# Altium PCB PCB2.PcbDoc (part 1 of 3) (continued)
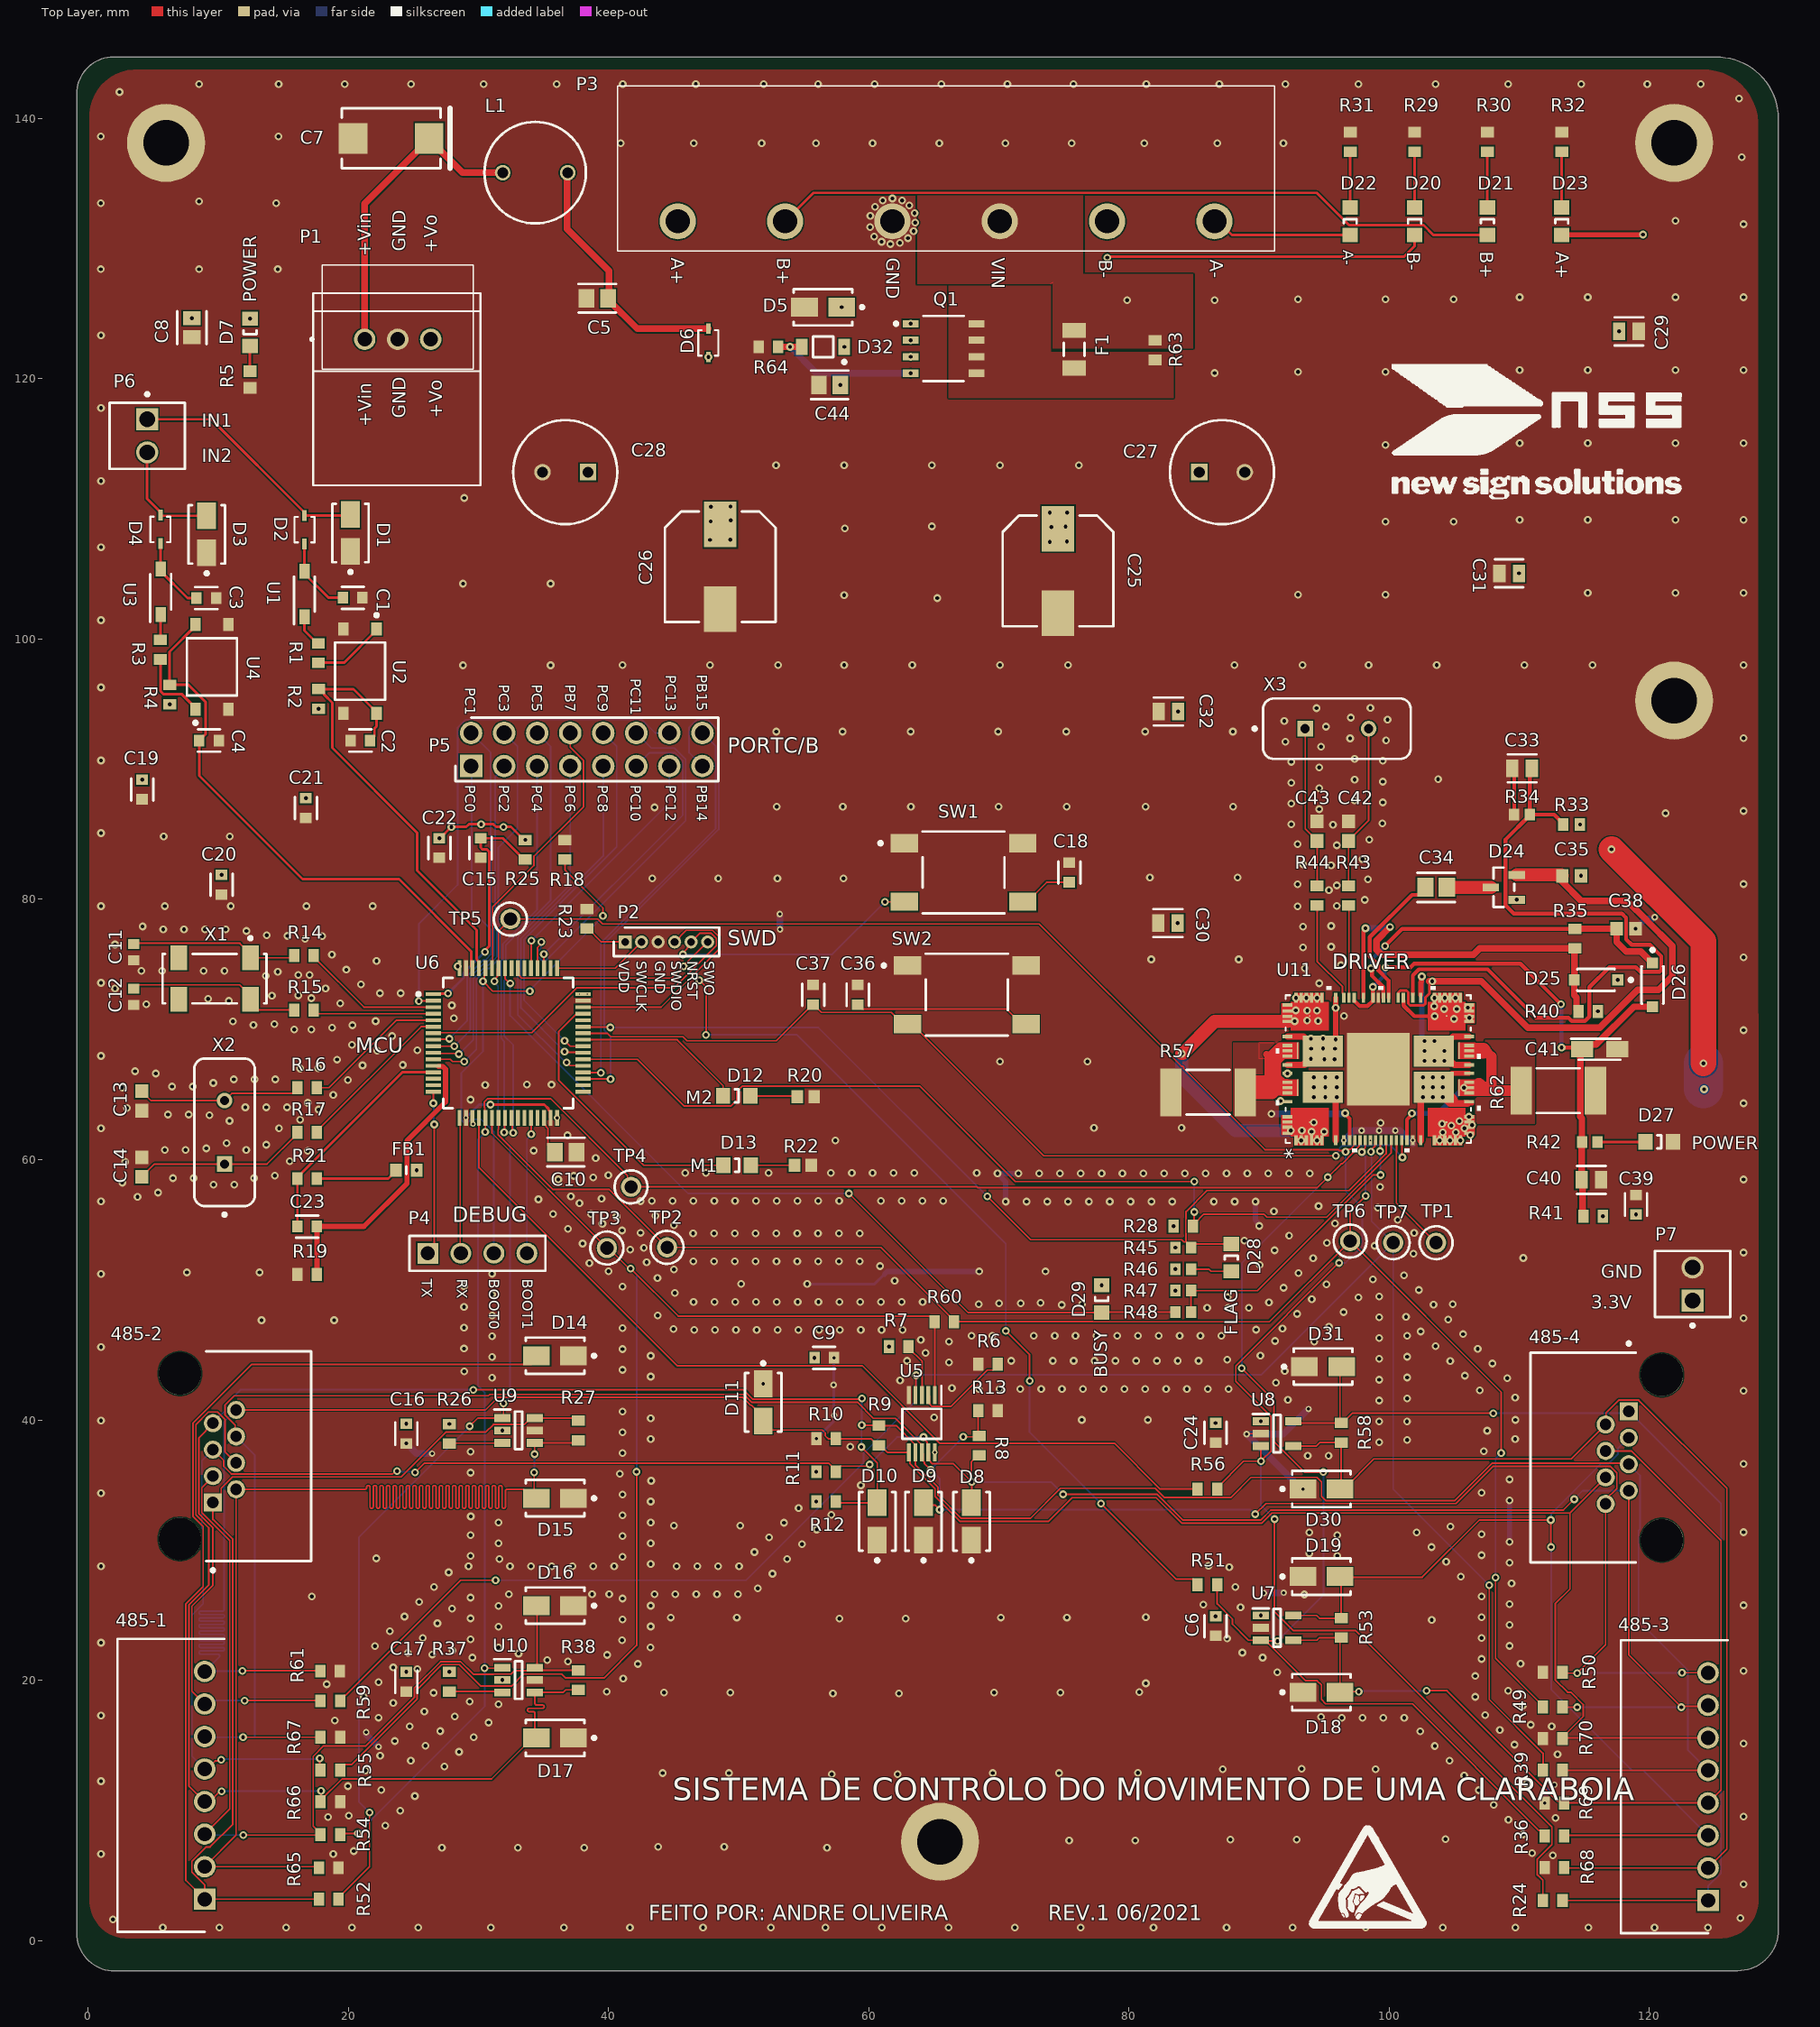
[diagram p0: Top Layer view]
## Components (designator, comment, footprint, x,y, rotation, side; value= is the part's Value field where it differs from the comment) (continued)
R54 "NA" RESC1608X55X25ML10T15 18.618,8.128 r180 top
R55 "NA" RESC1608X55X25ML10T15 18.618,13.081 r180 top
R56 "NA" RESC1608X55X25ML10T15 86.03,34.696 r180 top
R57 "0.1" FP-WSL2512-MFG 86.081,65.176 r180 top value=50mΩ
R58 "100" RESC1608X55X25ML10T15 96.317,39.014 r270 top
R59 "NA" RESC1608X55X25ML10T15 18.618,18.415 r180 top
R60 "NA" RESC1608X55X25ML10T15 65.811,47.549 r180 top
R61 "NA" RESC1608X55X25ML10T15 18.606,20.701 r180 top
R62 "0.1" FP-WSL2512-MFG 113.005,65.303 r0 top value=50mΩ
R63 "NA" RESC1608X55X25ML10T15 82.017,122.199 r270 top
R64 "10k" RESC1608X55X25ML10T15 52.299,122.453 r0 top
R65 "NA" RESC1608X55X25ML10T15 18.491,5.588 r180 top
R66 "NA" RESC1608X55X25ML10T15 18.618,10.668 r180 top
R67 "NA" RESC1608X55X25ML10T15 18.618,15.621 r180 top
R68 "NA" RESC1608X55X25ML10T15 112.7,5.613 r0 top
R69 "NA" RESC1608X55X25ML10T15 112.7,10.566 r0 top
R70 "NA" RESC1608X55X25ML10T15 112.573,15.519 r0 top
SW1 "TD-0341" FP-1571563-9-MFG 67.285,82.067 r0 top
SW2 "TD-0341" FP-1571563-9-MFG 67.539,72.669 r0 top
TP1 "5000" KSTN-5002 103.607,53.619 r90 top
TP2 "5000" KSTN-5002 44.501,53.264 r0 top
TP3 "5000" KSTN-5002 39.878,53.213 r0 top
TP4 "5000" KSTN-5002 41.732,57.912 r0 top
TP5 "5000" KSTN-5002 32.461,78.486 r0 top
TP6 "5000" KSTN-5002 97.003,53.746 r0 top
TP7 "5000" KSTN-5002 100.305,53.619 r0 top
U1 "NSI50010YT1G" SOD3716X135N 16.637,103.454 r90 top
U2 "VOM618A-3T" VISH-SOP-4_V 20.904,97.536 r270 top
U3 "NSI50010YT1G" SOD3716X135N 5.588,103.632 r90 top
U4 "VOM618A-3T" VISH-SOP-4_V 9.525,97.866 r90 top
U5 "SN65HVD70D" SOP50P490X110-10N 64.084,39.7 r270 top
U6 "STM32F401RET6" FP-LQFP64-5W-MFG 32.295,68.966 r0 top
U7 "MAX3280E" SOT95P280X145-5N 91.384,24.028 r0 top
U8 "MAX3280E" SOT95P280X145-5N 91.384,38.948 r0 top
U9 "MAX3293" SOT95P280X145-6N 33.096,39.192 r0 top
U10 "MAX3293" SOT95P280X145-6N 33.096,20.015 r0 top
U11 "POWERSTEP01" VFQFPN89_11X14X1_STM 99.162,66.954 r90 top
X1 "ABS25-32.768KHZ-6-T" ABRA-ABS25-4_V 9.728,73.914 r180 top
X2 "8MHz(16pF) NA" FOX-FOXSLF160-20 10.49,62.103 r90 top
X3 "8MHz(16pF) NA" FOX-FOXSLF160-20 95.987,93.116 r0 top

## Footprints (in the part's own frame and the unit in brackets; to place one, negate y for a bottom-side part, rotate by r counter-clockwise, add the part's x,y. Pads: shape width x height; smd on the part's side, far side on the other; paste and mask are expansions set on the pad)
0805_A [mm] "Chip LED, 2-Leads, Body 2.0x1.3mm, IPC Medium Density"
  rect 1.1x1.2 smd: 1(-1.05,0) 2(1.05,0)
  silkscreen extent -0.15,-0.5 0.15,0.5, body extent -1,-0.62 1,0.63, height 0.68
61300411121 [mm] "Pin Header, pitch 2.54 mm, THT, Vertical, single row, 4p"
  rect 1.6x1.6 hole 1.1: 1(-3.81,0)
  round 1.6 hole 1.1: 2(-1.27,0) 3(1.27,0) 4(3.81,0)
  silkscreen extent -5.23,-1.34 5.23,1.34, body extent -5.08,-1.27 5.08,1.27, height 8.57
ABRA-ABS25-4_V [mm] "SMD, 4-Leads, Body 8x3.8mm, Pitch 5.5mm, Height 2.5mm"
  rect 1.3x1.9 smd: 1(-2.75,-1.6) 2(2.75,-1.6) 3(2.75,1.6) 4(-2.75,1.6)
  silkscreen extent -4,-3.22 4,1.9, body extent -4,-2 4,2, height 2.66
BEADC1608X95N [mm]
  rect 0.9x1 smd: 1(-0.8,0) 2(0.8,0)
  silkscreen extent 0,-0.3 0,0.3, body extent -0.8,-0.4 0.8,0.4, height 0.95
CAPC1608X90X35LL10T15 [mm] "Chip Capacitor, 2-Leads, Body 1.60x0.80mm, IPC High Density"
  rect 0.75x0.85 smd: 1(-0.625,0) 2(0.625,0)
  body extent -0.85,-0.45 0.85,0.45, height 0.9
CAPC1608X90X35ML10T15 [mm] "Chip Capacitor, 2-Leads, Body 1.60x0.80mm, IPC Low Density"
  rect 0.95x1.05 smd: 1(-0.725,0) 2(0.725,0)
  body extent -0.85,-0.45 0.85,0.45, height 0.9
CAPC1608X90X35NL15T15 [mm] "Chip Capacitor, 2-Leads, Body 1.60x0.81mm, IPC Medium Density"
  rect 1.05x1 smd: 1(-0.75,0) 2(0.75,0)
  body extent -0.88,-0.48 0.87,0.48, height 0.9
CAPPM3216X180N [mm]
  rect 1.7x1.25 smd: 1(-1.35,0) 2(1.35,0)
  silkscreen extent -2.2,-0.8 1.6,0.8, body extent -1.6,-0.8 1.6,0.8, height 1.8
CAPPRD350W65D800H1300 [mm]
  rect 1.275x1.275 hole 0.85: 1(0,0)
  round 1.275 hole 0.85: 2(3.5,0)
  silkscreen extent -2.25,-4 5.75,4, body extent -2.5,-4.25 6,4.25, height 13
DIODE_SOD-323_1P7X1P3_DIO-L [mil]
  rect 32x14 smd paste+0 mask+0: 1(-43,0) 2(43,0)
  silkscreen extent -38,-31 38,31, body extent -53,-26 53,26, height 43
FOX-FOXSLF160-20 [mm] "THD, 2-Leads, Body 11.35x4.65mm"
  rect 1.2x1.2 hole 0.7: 1(-2.44,0)
  round 1.2 hole 0.7: 2(2.44,0)
  silkscreen extent -6.45,-2.33 5.68,2.33, body extent -5.67,-2.32 5.68,2.33, height 3.6
FP-1571563-9-MFG [mm]
  rect 2.1x1.4 smd paste+0 mask+0: 1(-4.55,2.25) 2(4.55,2.25) 3(-4.55,-2.25) 4(4.55,-2.25)
  silkscreen extent -6.5,-3.15 3.15,3.15, body extent -5.7,-3.25 5.7,3.25, height 0.25
FP-C0805C-DN-MFG [mm]
  rect 0.95x1.35 smd paste+0 mask+0: 1(-0.75,0) 2(0.75,0)
  silkscreen extent -1.1,-1.07 1.1,1.07, body extent -1.4,-0.85 1.4,0.85, height 0.25
FP-C-06527-MFG [mil]
  rect 47x22 smd paste+0 mask+0: 1(-99.5,75) 2(-99.5,25) 3(-99.5,-25) 4(-99.5,-75) 5(99.5,-75) 6(99.5,-25) 7(99.5,25) 8(99.5,75)
  silkscreen extent -149,-98 61,98, body extent -127,-102 127,102, height 10
FP-CC0603-DA-MFG [mm]
  rect 0.8x0.9 smd paste+0 mask+0: 1(-0.75,0) 2(0.75,0)
  silkscreen extent -0.85,-0.85 0.85,0.85, body extent -1.35,-0.75 1.35,0.75, height 0.25
FP-CL21-IPC_B [mm]
  rect 1.255x1.456 smd paste+0 mask+0: 1(-0.826,0) 2(0.826,0)
  silkscreen extent -1.45,-1.13 1.45,1.13, body extent -1.7,-0.98 1.7,0.98, height 0.25
FP-GRM21B-0_2-e0_2_0_7-IPC_C [mm]
  rect 1.055x1.356 smd paste+0 mask+0: 1(-0.726,0) 2(0.726,0)
  silkscreen extent -1.25,-1.13 1.25,1.13, body extent -1.35,-0.82 1.35,0.82, height 0.25
FP-GRT21B-0_15-IPC_B [mm]
  rect 1.206x1.408 smd paste+0 mask+0: 1(-0.826,0) 2(0.826,0)
  silkscreen extent -1.43,-1.1 1.43,1.1, body extent -1.68,-0.95 1.68,0.95, height 0.25
FP-LQFP64-5W-MFG [mm]
  rect 1.2x0.3 smd paste+0 mask+0: 1(-5.75,3.75) 2(-5.75,3.25) 3(-5.75,2.75) 4(-5.75,2.25) 5(-5.75,1.75) 6(-5.75,1.25) 7(-5.75,0.75) 8(-5.75,0.25) 9(-5.75,-0.25) 10(-5.75,-0.75) 11(-5.75,-1.25) 12(-5.75,-1.75) 13(-5.75,-2.25) 14(-5.75,-2.75) 15(-5.75,-3.25) 16(-5.75,-3.75) 33(5.75,-3.75) 34(5.75,-3.25) 35(5.75,-2.75) 36(5.75,-2.25) 37(5.75,-1.75) 38(5.75,-1.25) 39(5.75,-0.75) 40(5.75,-0.25) 41(5.75,0.25) 42(5.75,0.75) 43(5.75,1.25) 44(5.75,1.75) 45(5.75,2.25) 46(5.75,2.75) 47(5.75,3.25) 48(5.75,3.75)
  rect 0.3x1.2 smd paste+0 mask+0: 17(-3.75,-5.75) 18(-3.25,-5.75) 19(-2.75,-5.75) 20(-2.25,-5.75) 21(-1.75,-5.75) 22(-1.25,-5.75) 23(-0.75,-5.75) 24(-0.25,-5.75) 25(0.25,-5.75) 26(0.75,-5.75) 27(1.25,-5.75) 28(1.75,-5.75) 29(2.25,-5.75) 30(2.75,-5.75) 31(3.25,-5.75) 32(3.75,-5.75) 49(3.75,5.75) 50(3.25,5.75) 51(2.75,5.75) 52(2.25,5.75) 53(1.75,5.75) 54(1.25,5.75) 55(0.75,5.75) 56(0.25,5.75) 57(-0.25,5.75) 58(-0.75,5.75) 59(-1.25,5.75) 60(-1.75,5.75) 61(-2.25,5.75) 62(-2.75,5.75) 63(-3.25,5.75) 64(-3.75,5.75)
  silkscreen extent -7.02,-5 5,5, body extent -6.45,-6.45 6.45,6.45, height 0.25
FP-RJHSE-5080-MFG [mm]
  rect 1.39x1.39 hole 0.89 paste-1000 mask+0: 1(3.556,0.127)
  round 1.39 hole 0.89 paste-1000 mask+0: 2(2.54,1.905) 3(1.524,0.127) 4(0.508,1.905) 5(-0.508,0.127) 6(-1.524,1.905) 7(-2.54,0.127) 8(-3.556,1.905)
  round 3.25 hole 3.25 unplated paste-1000 mask+0: ""(-6.35,-2.413) ""(6.35,-2.413)
  silkscreen extent -8.06,-0.41 8.89,7.68, body extent -8.16,-7.78 8.16,7.78, height 0.25
FP-S8-V-3910_01-001-MFG [mm]
  rect 0.85x0.85 smd paste+0 mask+0: 1(-1.675,0) 2(1.675,0)
  silkscreen extent -2.8,-0.85 1.43,0.85, body extent -2.2,-0.95 2.2,0.95, height 0.25
FP-SOT23-3L-MFG [mm]
  rect 1.26x0.61 smd paste+0 mask+0: 1(-0.995,0.95) 2(-0.995,-0.95) 3(0.995,0)
  silkscreen extent -0.8,-1.52 0.8,1.52, body extent -1.73,-1.62 1.73,1.62, height 0.25
FP-WSL2512-MFG [mm]
  rect 1.65x3.68 smd paste+0 mask+0: 1(-2.855,0) 2(2.855,0)
  silkscreen extent -1.66,-1.72 1.66,1.72, body extent -3.78,-1.94 3.78,1.94, height 0.25
HDRV6W30P0X127_1X6_762X210X430P [mm]
  rect 1x1 hole 0.6: 1(0,0)
  round 1 hole 0.6: 2(1.27,0) 3(2.54,0) 4(3.81,0) 5(5.08,0) 6(6.35,0)
  silkscreen extent -0.88,-1.1 7.23,1.1, body extent -0.64,-1.05 6.98,1.05, height 4
HDRV16W67P254_2X8_1991X488X821P [mm]
  rect 1.725x1.725 hole 1.15: 1(0,0)
  round 1.725 hole 1.15: 2(0,2.54) 3(2.54,0) 4(2.54,2.54) 5(5.08,0) 6(5.08,2.54) 7(7.62,0) 8(7.62,2.54) 9(10.16,0) 10(10.16,2.54) 11(12.7,0) 12(12.7,2.54) 13(15.24,0) 14(15.24,2.54) 15(17.78,0) 16(17.78,2.54)
  silkscreen extent -1.21,-1.17 18.99,3.71, body extent -1.07,-1.17 18.85,3.71, height 8.12
KEMT-T491-D_L [mm] "Molded Capacitor, 2-Leads, Body 7.60x4.60mm, IPC High Density"
  rect 2.2x2.35 smd: 1(-2.925,0) 2(2.925,0)
  silkscreen extent -4.53,-2.3 3.8,2.3, body extent -3.8,-2.3 3.8,2.3, height 3.1
KSTN-5002 [mm] "Test Point, Through Hole, Dia 2.54mm"
  round 1.55 hole 1.016: 1(0,0)
  silkscreen extent -1.27,-1.27 1.27,1.27, body extent -1.25,-1.25 1.25,1.25, height 4.62
MOLX-22-27-2021_V [mm] "Header, 2-Leads, Body 5.8x5.08mm"
  rect 1.7x1.7 hole 1.19: 1(-1.27,0)
  round 1.7 hole 1.19: 2(1.27,0)
  silkscreen extent -3.31,-2.9 2.54,2.9, body extent -2.54,-2.9 2.54,2.9, height 11.72
NIC-CAPA2-8X10_V [mm] "Aluminum Electrolytic Capacitor, Diameter 8mm, Height 10.8mm, Pitch 6.5mm"
  rect 3.5x2.5 smd: 1(-3.25,0) 2(3.25,0)
  silkscreen extent -4.25,-4.25 4.25,4.25, body extent -3.99,-3.97 3.99,4, height 10.8
ONSC-SOD-123-2-425-04_V [mm] "SOD, 2-Leads, Body 2.69x1.6mm"
  rect 0.91x1.22 smd: 1(-1.635,0) 2(1.635,0)
  silkscreen extent -1.76,-0.8 0.78,1.28, body extent -1.35,-0.8 1.35,0.8, height 1.35
OSTYK42106030 [mm]
  round 2.775 hole 1.85: 1(0,0) 2(8.25,0) 3(16.5,0) 4(24.75,0) 5(33,0) 6(41.25,0)
  silkscreen extent -4.62,-10.4 45.87,2.3, body extent -4.62,-10.4 45.88,2.3, height 13.1
P78E031000 [mm]
  round 1.65 hole 1.1: 1(0,0) 2(2.54,0) 3(5.08,0)
  silkscreen extent -4.1,-2.3 8.34,5.7, body extent -3.26,-2.3 8.34,5.7, height 11
RESC1608X55X25ML10T15 [mm] "Chip Resistor, 2-Leads, Body 1.60x0.80mm, IPC Low Density"
  rect 0.8x1 smd: 1(-0.75,0) 2(0.75,0)
  body extent -0.85,-0.45 0.85,0.45, height 0.55
RESC1608X55X30LL20T20 [mm] "Chip Resistor, 2-Leads, Body 1.60x0.80mm, IPC High Density"
  rect 0.8x0.9 smd: 1(-0.6,0) 2(0.6,0)
  body extent -0.9,-0.5 0.9,0.5, height 0.55
RESC1608X55X30NL20T20 [mm] "Chip Resistor, 2-Leads, Body 1.60x0.80mm, IPC Medium Density"
  rect 0.9x1 smd: 1(-0.65,0) 2(0.65,0)
  body extent -0.9,-0.5 0.9,0.5, height 0.55
RESC1609X50X30NL8T20 [mm] "Chip Resistor, 2-Leads, Body 1.65x0.95mm, IPC Medium Density"
  rect 0.8x0.95 smd: 1(-0.65,0) 2(0.65,0)
  body extent -0.82,-0.48 0.82,0.48, height 0.5
RESC3216X65N [mm]
  rect 1.15x1.8 smd: 1(-1.45,0) 2(1.45,0)
  silkscreen extent -0.5,-0.8 0.5,0.8, body extent -1.58,-0.8 1.58,0.8, height 0.65
SHDRRA8W64P0X250_1X8_2250X820X420P [mm]
  rect 1.65x1.65 hole 1.1: 1(0,0)
  round 1.65 hole 1.1: 2(2.5,0) 3(5,0) 4(7.5,0) 5(10,0) 6(12.5,0) 7(15,0) 8(17.5,0)
  silkscreen extent -2.5,-1.5 20,6.7, body extent -2.5,-1.5 20,6.7, height 4.2
SOD3716X135N [mm]
  rect 1.15x0.8 smd: 1(-1.75,0) 2(1.75,0)
  silkscreen extent -2.33,-0.8 1.34,0.8, body extent -1.86,-0.8 1.86,0.8, height 1.35
SOP50P490X110-10N [mm]
  rect 1.4x0.3 smd: 1(-2.2,1) 2(-2.2,0.5) 3(-2.2,0) 4(-2.2,-0.5) 5(-2.2,-1) 6(2.2,-1) 7(2.2,-0.5) 8(2.2,0) 9(2.2,0.5) 10(2.2,1)
  silkscreen extent -2.9,-1.5 1.15,1.5, body extent -2.45,-1.5 2.45,1.5, height 1.1
SOT95P280X145-5N [mm]
  rect 1.25x0.6 smd: 1(-1.25,0.95) 2(-1.25,0) 3(-1.25,-0.95) 4(1.25,-0.95) 5(1.25,0.95)
  silkscreen extent -1.88,-1.45 0.27,1.5, body extent -1.4,-1.45 1.4,1.45, height 1.45
SOT95P280X145-6N [mm]
  rect 1.25x0.6 smd: 1(-1.25,0.95) 2(-1.25,0) 3(-1.25,-0.95) 4(1.25,-0.95) 5(1.25,0) 6(1.25,0.95)
  silkscreen extent -1.87,-1.45 0.27,1.6, body extent -1.4,-1.45 1.4,1.45, height 1.45
VFQFPN89_11X14X1_STM [mil]
  rect 30x10 smd paste-5 mask+0: 1(-215.55,248.82) 2(-215.55,233.07) 3(-215.55,217.32) 4(-215.55,201.57) 5(-215.55,185.83) 6(-215.55,170.08) 7(-215.55,128.74) 8(-215.55,104.33) 9(-215.55,86.61) 10(-215.55,70.87) 11(-215.55,55.12) 12(-215.55,39.37) 13(-215.55,23.62) 14(-215.55,7.87) 15(-215.55,-7.87) 16(-215.55,-23.62) 17(-215.55,-39.37) 18(-215.55,-55.12) 19(-215.55,-70.87) 20(-215.55,-86.61) 21(-215.55,-104.33) 22(-215.55,-128.74) 23(-215.55,-170.08) 24(-215.55,-185.83) 25(-215.55,-201.57) 26(-215.55,-217.32) 27(-215.55,-233.07) 28(-215.55,-248.82) 47(215.55,-248.82) 48(215.55,-233.07) 49(215.55,-217.32) 50(215.55,-201.57) 51(215.55,-185.83) 52(215.55,-170.08) 53(215.55,-128.74) 54(215.55,-104.33) 55(215.55,-75.98) 56(215.55,-60.24) 57(215.55,-31.5) 58(215.55,-15.75) 59(215.55,0) 60(215.55,15.75) 61(215.55,44.49) 62(215.55,72.83) 63(215.55,88.58) 64(215.55,104.33) 65(215.55,128.74) 66(215.55,170.08) 67(215.55,185.83) 68(215.55,201.57) 69(215.55,217.32) 70(215.55,233.07) 71(215.55,248.82)
  rect 10x30 smd paste-5 mask+0: 29(-194.09,-274.61) 30(-175.59,-274.61) 31(-159.84,-274.61) 32(-144.09,-274.61) 33(-98.82,-274.61) 34(-71.65,-274.61) 35(-55.91,-274.61) 36(-39.76,-274.61) 37(-12.6,-274.61) 38(12.6,-274.61) 39(39.76,-274.61) 40(55.91,-274.61) 41(71.65,-274.61) 42(98.82,-274.61) 43(144.09,-274.61) 44(159.84,-274.61) 45(175.59,-274.61) 46(194.09,-274.61) 72(194.09,274.61) 73(175.59,274.61) 74(159.84,274.61) 75(144.09,274.61) 76(98.82,274.61) 77(71.65,274.61) 78(55.91,274.61) 79(39.76,274.61) 80(12.6,274.61) 81(-12.6,274.61) 82(-39.76,274.61) 83(-55.91,274.61) 84(-71.65,274.61) 85(-98.82,274.61) 86(-144.09,274.61) 87(-159.84,274.61) 88(-175.59,274.61) 89(-194.09,274.61)
  rect 5x5 smd: EPAD1(-160.83,207.09) EPAD2(-160.83,-207.09) EPAD5(160.83,-207.09) EPAD6(160.83,207.09)
  rect 94x122 smd: EPAD3(-54.33,-167.72) EPAD4(54.33,-167.72) EPAD7(54.33,167.72) EPAD8(-54.33,167.72)
  rect 220x189 smd paste-94.5 mask+0: EPAD9(0,0)
  rect 50x5 smd: EPAD10(-55.91,-244.32) EPAD11(55.91,-244.32) EPAD12(55.91,244.32) EPAD13(-55.91,244.32)
  Top Layer region: 30.91,292.82 30.91,241.82 80.91,241.82 80.91,292.82
  Top Layer region: -30.91,292.82 -30.91,241.82 -80.91,241.82 -80.91,292.82
  Top Layer region: -30.91,-292.82 -30.91,-241.82 -80.91,-241.82 -80.91,-292.82
  Top Layer region: 30.91,-292.82 30.91,-241.82 80.91,-241.82 80.91,-292.82
  Top Layer region: -139.09,-292.61 -199.09,-292.61 -199.09,-264.09 -203.83,-264.09 -203.83,-253.82 -230.55,-253.82 -230.55,-165.08 -203.83,-165.08 -203.83,-150.09 -117.83,-150.09 -117.83,-264.09 -139.09,-264.09
  Top Layer region: -139.09,292.61 -199.09,292.61 -199.09,264.09 -203.83,264.09 -203.83,253.82 -230.55,253.82 -230.55,165.08 -203.83,165.08 -203.83,150.09 -117.83,150.09 -117.83,264.09 -139.09,264.09
  Top Layer region: 139.09,292.61 199.09,292.61 199.09,264.09 203.83,264.09 203.83,253.82 230.55,253.82 230.55,165.08 203.83,165.08 203.83,150.09 117.83,150.09 117.83,264.09 139.09,264.09
  Top Layer region: 139.09,-292.61 199.09,-292.61 199.09,-264.09 203.83,-264.09 203.83,-253.82 230.55,-253.82 230.55,-165.08 203.83,-165.08 203.83,-150.09 117.83,-150.09 117.83,-264.09 139.09,-264.09
  silkscreen extent -251,-310 251,310, body extent 0,0 10,10, height 10
VISH-DO-214AC-2_L [mm] "DO-214AC, 2-Leads, Body 4.5x2.79mm, IPC High Density"
  rect 2.05x1.45 smd: 1(-1.425,0) 2(1.425,0)
  silkscreen extent -3.12,-1.4 2.25,1.4, body extent -2.25,-1.4 2.25,1.4, height 2.29
VISH-SOP-4_V [mm] "SOP, 4-Leads, Body 4.4x3.85mm, Pitch 2.54mm"
  rect 1x0.8 smd: 1(-3.25,1.27) 2(-3.25,-1.27) 3(3.25,-1.27) 4(3.25,1.27)
  silkscreen extent -4.42,-1.93 2.2,1.93, body extent -2.2,-1.92 2.2,1.92, height 2.32
WE-TI-LM [mm] "THT Inductor, 2-Leads, Body 7.8 x 7.8 mm"
  round 1.2 hole 0.82: 1(-2.5,0) 2(2.5,0)
  silkscreen extent -3.9,-3.9 3.9,3.9, body extent -3.89,-3.89 3.89,3.9, height 7.51

## Part data
485-1 485-3: library part S8B-EH_LF__SN_, "Conector Femea 1*8 90 graus", Arrow Part Number=S8B-EH(LF)(SN), Manufacturer_Name="JST (JAPAN SOLDERLESS TERMINALS)", Arrow Price/Stock=https://www.arrow.com/en/products/s8b-eh-lf-sn/jst-manufacturing, Datasheet Link=http://www.jst-mfg.com/product/pdf/eng/eEH.pdf, Height=4.2mm, Manufacturer_Part_Number=S8B-EH(LF)(SN)
485-2 485-4: library part CMP-02366-000003-1, "CONN MOD JACK 8P8C R/A UNSHLD", Current Rating=1.5A, Manufacturer=Amphenol, Manufacturer Part Number=RJHSE-5080, Package=CONN_MOD_JACK, Temperature="-55°C to +85°C", Temperature Range High=+85°C, Temperature Range Low=-55°C, Voltage Rating=125V, Automotive=No, Category=Conn, ComponentLink2Description=Datasheet, ComponentLink2URL=https://cdn.amphenol-icc.com/media/wysiwyg/files/documentation/datasheet/inputoutput/io-modjack-rjhse.pdf, Conn Gender=Female, Conn Orientation="Right Angle", Contact Material=Gold,Nickel, Device Class L1=Connectors, Device Class L2="Modular / Ethernet Connectors", Device Class L3=unset, Digikey Description="CONN MOD JACK 8P8C R/A UNSHLD", Footprint Url=https://cdn.amphenol-icc.com/media/wysiwyg/files/drawing/rjhse5080.pdf?__cf_chl_jschl_tk__=e349db0bbbb6188a39347cd5e541b92fa02c9719-1587748343-0-AW7tChdeHzRPLX9gSWj7WrKaXQoY9BsmT9Ek0h-T62M9y3Rs9iypFcOtkzb-6sGYQEjFE-jcoNciDETCOZrh1rYyOesac5SvYLoLwHIsHvF4AKBlx-MXmfZUVk9OTTJLqyQq2qMm0PFRLJpNcK0nrKResqOniRSYixG2sPTmOPraH-ULJFBDL602CHqcI9KKBgTq90Jh1OL2Td4moJ99rFsJRJ1Tk_uoxGe8ublcP_ARu-uLpWcQrBcwOcHDTAwL29DAwVaqcH7ta8Ks7WMlHmVl_pILeEDwT0bE9vu5Pa5S3PtNRF1leuFkgi_FMbUxTDulc5xzbXSfng8srUIV1lWXny5nx1fZJEUa_w97yKjffzBMxiWLWVN-V7-uqAaPbyv_m-wRyw5O25OZNyJOeGU, Height=0.535inch, Is Female=yes, Lead Free=Yes, Mouser Description="Modular Connectors / Ethernet Connectors R/A RJ45 NONSHIELDED 8 CONT NO LEDS", Number Of Contacts=8, Octopart=https://octopart.com/rjhse-5080-amphenol-45060, Pitch=1.02mm, RoHS=TRUE
C1 C2 C3 C4 C6 C9 C16 C17 C18 C19 C20 C21 C22 C23 C24 C36 C37 C39: library part CMP-2100-03601-2, "CAP CER 0.1UF 50V X7R 0603", Manufacturer=YAGEO, Manufacturer Part Number=CC0603KRX7R9BB104, Package=CC0603-DA, Temperature="-55°C to +125°C", Temperature Characteristic=X7R, Temperature Coefficient=15%, Temperature Range High=+125°C, Temperature Range Low=-55°C, Tolerance=0.1, Voltage="50 V", Automotive=No, Capacitance="100 nF", Category=Cap, ComponentLink2Description=Datasheet, ComponentLink2URL=http://www.yageo.com/documents/recent/UPY-GPHC_X7R_6.3V-to-50V_18.pdf, Device Class L1="Passive Components", Device Class L2=Capacitors, Device Class L3="Ceramic Capacitors", Digikey Description="CAP CER 0.1UF 50V X7R 0603", Footprint Url=http://www.yageo.com/exep/pages/download/literatures/UPY-C_GEN_24.pdf, Height=0.9mm, Lead Free=Yes, Material=Ceramic, Mouser Description="Multilayer Ceramic Capacitor, CC Series, 0.1 - F, - 10%, X7R, 50 V, 0603 [1608 Metric]", Octopart=https://octopart.com/cc0603krx7r9bb104-yageo-42244635, RoHS=TRUE, Voltage Rating="50 V"
C5 C10 C44: library part CMP-06035-019733-1, "Cap Ceramic 4.7uF 50V X5R ±10% SMD 0805 +85°C Emboss T/R", Case Code (Imperial)=0805, Case Code (Metric)=2012, Dielectric=X5R, Max Operating Temperature=85°C, Min Operating Temperature=-55°C, Ratings=AEC-Q200, Tolerance=10%, Voltage Rating=50V, Capacitance=4.7uF, Case/Package=0805, Length=0.079inch, Mount="Surface Mount", Packaging="Tape and Reel", Thickness=0.057inch, Voltage Rating (DC)=50V, Width=0.049inch
C7: library part CMP-2000-07203-1, "Tantalum Surface Mount Capacitor, 4.7 uF, +/- 20%, 50 V, -55 to 125 degC, 2-Pin SMD, RoHS, Tape and Reel T491D475M050AT", Capacitance=4700000pF, Case Code=D, Case Style=Molded, Manufacturer=Kemet, Operating Temp Range=-55Cto125C, Package / Case=7343-31, Package Description="2-Pin Surface Mount Device, Body 7.3 x 4.3 mm", Package Reference=T491-D, Tolerance (+ or -)=20%, Voltage=50VDC, Construction=SMTChip, Datasheet URL=http://www.kemet.com/Lists/ProductCatalog/Attachments/254/KEM_T2005_T491.pdf, Datasheet Version=06/2016, DCL=2.4uA, DF=6%, ESR=1.4ohm, Failure Rate=NotRequired, Insulation=NotRequired, Lead Spacing (nom)=NotRequiredmm, Length W/Weld=NotRequiredmm, Length W/Weld (max)=NotRequiredmm, Manufacturer URL=http://www.kemet.com/, Mounting Style=SurfaceMount, Mounting Technology=SurfaceMount, Packaging=TapeandReel, Polarity=Polar, Product Depth (mm)=4.3mm, Product Diameter (mm)=NotRequiredmm, Product Height (mm)=2.8mm, Product Length (mm)=7.3mm, Rad Hardened=No, Seal=NotRequired, Seated Plane Height=NotRequiredmm, Wire Form=NotRequired
C8: library part CMP-06035-005015-1, "Chip Multilayer Ceramic Capacitors for General Purpose, 0805, 10uF, X5R, 15%, 10%, 50V GRM21BR61H106KE43K"
C11 C12: library part CMP-2006-02448-1, "0603", Manufacturer=Murata, Part Number=GQM1885C2A4R3BB01D
C13 C14 C42 C43: library part CMP-2006-04264-1, Manufacturer="AVX Interconnect / Elco", Part Number=06035A200JAT2A
C15: library part CMP-1035-02737-2, "CAP CER 1UF 16V X5R 0603", Manufacturer=YAGEO, Manufacturer Part Number=CC0603KRX5R7BB105, Package=CC0603-DA, Temperature="-55°C to +125°C", Temperature Characteristic=X5R, Temperature Coefficient=15%, Temperature Range High=+125°C, Temperature Range Low=-55°C, Tolerance=0.1, Voltage="16 V", Automotive=No, Capacitance="1 uF", Category=Cap, ComponentLink2Description=Datasheet, ComponentLink2URL=http://www.yageo.com/documents/recent/UPY-GPHC_X7R_6.3V-to-50V_18.pdf, Device Class L1="Passive Components", Device Class L2=Capacitors, Device Class L3="Ceramic Capacitors", Digikey Description="CAP CER 1UF 16V X5R 0603", Footprint Url=http://www.yageo.com/exep/pages/download/literatures/UPY-C_GEN_24.pdf, Height=0.9mm, Lead Free=Yes, Material=Ceramic, Mouser Description="Multilayer Ceramic Capacitors MLCC - SMD/SMT 1.0uF 16V X5R 10%", Octopart=https://octopart.com/cc0603krx5r7bb105-yageo-8376530, RoHS=TRUE, Voltage Rating="16 V"
C25 C26: library part CMP-0687-00076-1, "Aluminum Electrolytic Capacitor, UD Series, Low Impedance, 68 uF, 50 V, + / - 20%, -55 to 105 degC, Chip Type, 8 x 10 mm D x L, Pb-Free, Reel UUD1H680MNL1GS", Manufacturer=Nichicon, PartNumber=UUD1H680MNL1GS, Rated Ripple Current (at 100kHz)="300 mA", Rated Voltage="50 V", Tolerance Rated Capacitance="-20 to 20%", ComponentLink1Description="Manufacturer URL", ComponentLink1URL=http://www.nichicon.co.jp/, ComponentLink2Description=Datasheet, ComponentLink2URL=http://products.nichicon.co.jp/en/pdf/XJA043/e-ud.pdf, ComponentLink3Description="Package Specification", ComponentLink3URL=http://products.nichicon.co.jp/en/pdf/XJA043/e-ud.pdf, DatasheetVersion=08/2012, Diameter="8 mm", Endurance Time="2000 h", Impedance="0.34 Ohm", Length="10 mm", Mounting Technology="Surface Mount", PackageDescription="2-Pin Surface Mount Device, Diameter 8 mm, Height 10 mm, Pitch 6.5 mm", PackageReference=CAPAE-D8H10, Packing="Dia382mm Reel", Rated Capacitance="68 uF", RoHS=TRUE
C27 C28: library part EEU-FC1H680B, "Capacitor Polarised", Manufacturer_Name=Panasonic, Mouser Part Number=667-EEU-FC1H680B, Arrow Part Number=EEU-FC1H680B, Arrow Price/Stock=https://www.arrow.com/en/products/eeu-fc1h680b/panasonic, Datasheet Link=https://componentsearchengine.com/Datasheets/1/EEU-FC1H680B.pdf, Height=13mm, Manufacturer_Part_Number=EEU-FC1H680B, Mouser Price/Stock=https://www.mouser.co.uk/ProductDetail/Panasonic/EEU-FC1H680B?qs=LJ9%2FzSqIxRzRhFJo5GKaVg%3D%3D
C29 C30 C31 C32 C33 C40: library part CMP-1036-04552-2, "CAP CER 0.22UF 50V X7R 0805", Capacitance="0.22 μF", Manufacturer=KEMET, Manufacturer Part Number=C0805C224K5RACTU, Package=C0805C-DN, Temperature="-55°C to +125°C", Temperature Characteristic=X7R, Temperature Coefficient=30ppm/°C, Temperature Range High=+125°C, Temperature Range Low=-55°C, Tolerance=0.1, Voltage Rating="50 V", Automotive=No, Category=Cap, ComponentLink2Description=Datasheet, ComponentLink2URL=https://content.kemet.com/datasheets/KEM_C1003_C0G_SMD.pdf, Device Class L1="Passive Components", Device Class L2=Capacitors, Device Class L3="Ceramic Capacitors", Digikey Description="CAP CER 0.22UF 50V X7R 0805", Height=0.88mm, Ipc Land Pattern Name=CAPC200125X78, Lead Free=Yes, Material=Ceramic, Mouser Description="CAP CER 0.22UF 50V X7R 0805", Octopart=https://octopart.com/c0805c224k5ractu-kemet-144670, RoHS=TRUE
C34: library part CMP-13271-004199-1, "CL21 Series 0805 47nF 50V ±5% Tolerance X7R Multilayer Ceramic Chip Capacitor", Capacitance=47nF, Case Code (Imperial)=0805, Case Code (Metric)=2012, Dielectric=X7R, Max Operating Temperature=125°C, Min Operating Temperature=-55°C, Package Quantity=1, Tolerance=5%, Voltage=50V, Case/Package=0805, Depth=1.25mm, Height=0.85mm, Length=2mm, Material=Ceramic, Mount="Surface Mount", Packaging="Tape and Reel", Radiation Hardening=No, Thickness=0.037inch, Voltage Rating=50V, Voltage Rating (DC)=50V, Width=0.049inch
C35 C38: library part CMP-2006-02821-1, Manufacturer=Murata, Part Number=GRM188R61E474KA12D
C41: library part T495A226K006ATE500, "Capacitor Polarised 22 uF TANT", Manufacturer_Name=Kemet, Mouser Part Number=80-T495A226K06ATE500, Arrow Part Number=T495A226K006ATE500, Arrow Price/Stock=https://www.arrow.com/en/products/t495a226k006ate500/kemet-corporation, Datasheet Link=https://componentsearchengine.com/Datasheets/2/T495A226K006ATE500.pdf, Height=1.8mm, Manufacturer_Part_Number=T495A226K006ATE500, Mouser Price/Stock=https://www.mouser.com/Search/Refine.aspx?Keyword=80-T495A226K06ATE500
D1 D3 D5 D8 D9 D10 D11 D14 D15 D16 D17 D18 D19 D30 D31: library part CMP-0548-00185-2, "Transient Voltage Suppressor, 6.40 to 231 V, 30 V Stand-off Voltage, Bi-Directional, -55 to 155 degC, 2-pin DO-214AC, Pb-Free, Tape and Reel", Manufacturer="Vishay Semiconductor", Operating Junction and Storage Temperature Range="-55 to 150 degC", ComponentLink1Description="Manufacturer URL", ComponentLink1URL=http://www.vishay.com/, ComponentLink2Description=Datasheet, ComponentLink2URL=http://www.vishay.com/docs/88390/smaj50a.pdf, ComponentLink3Description="Package Specification", ComponentLink3URL=http://www.vishay.com/docs/88390/smaj50a.pdf, DatasheetVersion=12/8/2013, ID (uA)=2, IFSM="40 A", Mounting Technology="Surface Mount", PackageDescription="2-Pin DO-214AC (SMA), Body 4.245 x 2.665 mm", PackageReference=DO-214AC-2, Packing="Tape and Reel", PartNumber=SMAJ30CA-E3/61, PPPM (W)="400, 300", RoHS=TRUE, VBR Bi-Directional (V)="6.4 to 231", VWM (V)=30
D2 D4 D6 U11: "No Description Available", Copyright="Copyright (C) 2018 Accelerated Designs. All rights reserved", RefDes=RefDes, Type=DEV
  D2 D4 D6: Built_By=EMA_Anthony, Datasheet=https://media.digikey.com/pdf/Data%20Sheets/Diodes%20PDFs/BAT760.pdf, Manufacturer_Part_Number=BAT760Q-7, SourceLibrary=Diodes_Inc_2020-03-05, Vendor="Diodes Inc"
  U11: Built_By=EMA_Cory, Datasheet=https://www.st.com/resource/en/datasheet/powerstep01.pdf, Manufacturer_Part_Number=POWERSTEP01, SourceLibrary=Add_to_database_2020-12-10, Vendor=STMicroelectronics
D7 D27: library part CMP-1426-00009-1, "SMD mono-color Chip LED, WL-SMCW, Bright Green", Color="Bright Green", Manufacturer="Wuerth Elektronik", PartNumber=150080VS75000, ComponentLink1Description="Manufacturer URL", ComponentLink1URL=http://www.we-online.com, ComponentLink2Description=Datasheet, ComponentLink2URL=http://katalog.we-online.com/led/datasheet/150080VS75000.pdf, PackageReference=0805_A
D12 D13 D20 D21 D22 D23: library part CMP-1426-00012-1, "SMD mono-color Chip LED, WL-SMCW, Yellow", Manufacturer="Wuerth Elektronik", PartNumber=150080YS75000, Color=Yellow, ComponentLink1Description="Manufacturer URL", ComponentLink1URL=http://www.we-online.com, ComponentLink2Description=Datasheet, ComponentLink2URL=http://katalog.we-online.com/led/datasheet/150080YS75000.pdf, PackageReference=0805_A
D24: library part CMP-2000-05915-2, "DIODE ARRAY SCHOTTKY 30V SOT23-3", Capacitance=7pF, Forward Current=0.1A, Manufacturer=STMicroelectronics, Manufacturer Part Number=BAR43SFILM, Max Junction Temp=+150°C, Max Repetitive Reverse Voltage=30V, Max Surge Forward Current=0.75A, Package=SOT23-3L, Peak Reverse Current=0.5uA, Temperature="to +150°C", Automotive=No, Category=Diode, ComponentLink2Description=Datasheet, ComponentLink2URL=https://www.st.com/resource/en/datasheet/bar43.pdf, Device Class L1="Discrete Semiconductors", Device Class L2=Diodes, Device Class L3="Schottky Diodes", Digikey Description="DIODE ARRAY SCHOTTKY 30V SOT23-3", Height=1.5mm, Lead Free=Yes, Mouser Description="Schottky Diodes & Rectifiers 100mA 30 Volt", Octopart=https://octopart.com/bar43sfilm-stmicroelectronics-39549077, RoHS=TRUE, Standoff Height=0mm, Temperature Range High=+150°C
D25 D26: library part CMP-02539-000007-1, "DIODE SCHOTTKY 100V 150MA SOD123", Capacitance=10pF, Forward Current=150mA, Manufacturer=Vishay, Manufacturer Part Number=BAT46W-E3-08, Max Junction Temp=+125°C, Max Repetitive Reverse Voltage=100V, Max Surge Forward Current=750mA, Package=S8-V-3910.01-001, Peak Reverse Current=5uA, Temperature="-55°C to +125°C", Temperature Range Low=-55°C, Automotive=No, Category=Diode, ComponentLink2Description=Datasheet, ComponentLink2URL=http://www.vishay.com/docs/85663/bat46wv.pdf, Device Class L1="Discrete Semiconductors", Device Class L2=Diodes, Device Class L3="Schottky Diodes", Digikey Description="DIODE SCHOTTKY 100V 150MA SOD123", Height=1.35mm, Lead Free=Yes, Mouser Description="BAT46W Series 100 V 150 mA Surface Mount Small Signal Schottky Diode - SOD-123", Octopart=https://octopart.com/bat46w-e3-08-vishay-30324836, Reverse Voltage=100V, RoHS=TRUE, Temperature Range High=+125°C
D28 D29: library part CMP-1426-00011-1, "SMD mono-color Chip LED, WL-SMCW, Red", Manufacturer="Wuerth Elektronik", PartNumber=150080RS75000, Color=Red, ComponentLink1Description="Manufacturer URL", ComponentLink1URL=http://www.we-online.com, ComponentLink2Description=Datasheet, ComponentLink2URL=http://katalog.we-online.com/led/datasheet/150080RS75000.pdf, PackageReference=0805_A
D32: library part CMP-1060-00535-1, "Zener Voltage Regulator, 500 mW, 2-Pin SOD-123, Pb-Free, Tape and Reel", Manufacturer="On Semiconductor", ComponentLink1Description="Manufacturer URL", ComponentLink1URL=http://www.onsemi.com/, ComponentLink2Description=Datasheet, ComponentLink2URL=http://www.onsemi.com/pub_link/Collateral/MMSZ5221BT1-D.PDF, ComponentLink3Description="Package Specification", ComponentLink3URL=http://www.onsemi.com/pub_link/Collateral/425-04.PDF, DatasheetVersion="Rev. 12", Mounting Technology="Surface Mount", P Max (W)=0.5, PackageDescription="2-Pin SOD, Body 1.6 x 2.69 mm", PackageReference=SOD-123-2-425-04, PackageVersion="Rev. G, 10/2009", Packing="Tape and Reel", PartNumber=MMSZ5245BT1G, RoHS=Pb-Free, VZ Typ (V)=15
F1: library part MFU1206FF00500P100, "Fuse", Manufacturer_Name=Vishay, Mouser Part Number=594-MFU1206FF00500P1, Arrow Part Number=MFU1206FF00500P100, Arrow Price/Stock=https://www.arrow.com/en/products/mfu1206ff00500p100/vishay, Datasheet Link=http://www.vishay.com/docs/28747/mfuserie.pdf, Height=0.65mm, Manufacturer_Part_Number=MFU1206FF00500P100, Mouser Price/Stock=https://www.mouser.co.uk/ProductDetail/Vishay-Beyschlag/MFU1206FF00500P100?qs=oI046glRurs9%2FzbQ%2Fl2sBw%3D%3D
FB1: library part MMZ1608S601ATD25, "Ferrite Bead", Manufacturer_Name=TDK, Mouser Part Number=810-MMZ1608S601ATD25, Arrow Part Number=MMZ1608S601ATD25, Arrow Price/Stock=https://www.arrow.com/en/products/mmz1608s601atd25/tdk, Datasheet Link=https://datasheet.datasheetarchive.com/originals/dk/DKDS-25/489214.pdf, Height=0.95mm, Manufacturer_Part_Number=MMZ1608S601ATD25, Mouser Price/Stock=https://www.mouser.co.uk/ProductDetail/TDK/MMZ1608S601ATD25?qs=pvNC7ksEVIeMnkuqWHgErw%3D%3D
L1: library part CMP-0225-00066-1, "Radial Leaded Wire Wound Inductor WE-TI, L = 4700 µH 7447721047", Inductance="4700 ÂµH", ComponentLink1Description="Manufacturer Link", ComponentLink1URL=http://www.we-online.com, ComponentLink2Description=Datasheet, ComponentLink2URL=http://www.we-online.de/katalog/media/pdf/7447721047.pdf, DatasheetVersion="ver 3, Feb-2008", PackageDescription="THT Inductor, 2-Leads, Body 7.8 x 7.8 mm", PackageReference=WE-TI-LM, PackageVersion=2008
P1: "Connector", Manufacturer_Name="CUI Inc.", Mouser Part Number=490-P78E03-1000, Arrow Part Number=P78E03-1000, Arrow Price/Stock=https://www.arrow.com/en/products/p78e03-1000/cui-inc, Datasheet Link=https://www.mouser.com/datasheet/2/670/p78e-1000-1480573.pdf, Height=10.9mm, Manufacturer_Part_Number=P78E03-1000, Mouser Price/Stock=https://www.mouser.co.uk/ProductDetail/CUI-Inc/P78E03-1000?qs=qSfuJ%252Bfl%2Fd7nA5RBt1peaw%3D%3D
P2: library part M50-3530642, "Connector", Manufacturer_Name=Harwin, Mouser Part Number=855-M50-3530642, Datasheet Link=https://cdn.harwin.com/pdfs/M50-353.pdf, Height=4.3mm, Manufacturer_Part_Number=M50-3530642, Mouser Price/Stock=https://www.mouser.co.uk/ProductDetail/Harwin/M50-3530642?qs=%252BdQmOuGyFcHPs2UJx%2F79Cg%3D%3D
P3: "Connector", Manufacturer_Name="On-Shore Technology", Arrow Part Number=OSTYK42106030, Arrow Price/Stock=https://www.arrow.com/en/products/ostyk42106030/on-shore-technology, Datasheet Link=https://www.arrow.com/en/products/ostyk42106030/on-shore-technology, Height=13mm, Manufacturer_Part_Number=OSTYK42106030
P4: library part CMP-1502-01064-1, "THT Vertical Pin Header WR-PHD, Pitch 2.54 mm, Single Row, 4 pins", Contact Resistance=20mOhm, Manufacturer="Wurth Elektronik", Operating temperature=-40to105degC, Package Reference=61300411121, Rated Current=3A, Withstanding Voltage=500VAC, Working Voltage=250VAC, Datasheet URL=https://katalog.we-online.de/em/datasheet/6130xx11121.pdf, Gender=Male, Manufacturer URL=http://www.we-online.de, Mounting Technology=THT, Orientation=Vertical, Packaging=Bag, Part Number=61300411121, Pin Number=4, Pitch=2.54mm, Publisher=WurthElektronik, Row Number=Single
P5: library part 5-146254-8, "Connector", Manufacturer_Name="TE Connectivity", Mouser Part Number=571-5-146254-8, Arrow Part Number=5-146254-8, Arrow Price/Stock=https://www.arrow.com/en/products/5-146254-8/te-connectivity, Datasheet Link=https://www.te.com/commerce/DocumentDelivery/DDEController?Action=srchrtrv&DocNm=146254&DocType=Customer+Drawing&DocLang=English, Height=8.21mm, Manufacturer_Part_Number=5-146254-8, Mouser Price/Stock=https://www.mouser.co.uk/ProductDetail/TE-Connectivity/5-146254-8?qs=bwpFY26eRVeR6qljXzz%2FRg%3D%3D
P6 P7: library part CMP-2000-05537-1, "Male Header, Pitch 2.54 mm, 1 x 2 Position, Height 11.7 mm, Tail Length 3.56 mm, 0 to 75 degC, RoHS, Bulk", Current - Max=4A, Manufacturer=Molex, Operating temperature=0°Cto+75°C, Package Description="2-Leads Header, Body 5.08 x 5.8 mm, Pitch 2.54 mm", Package Reference=22-27-2021, Package Version="Rev. BC, 02/2012", PartNumber=0022272021, Voltage - Max=250V, Contact Material=Tinplatedbrass, Current Rating=4A, Datasheet URL=http://www.molex.com/pdm_docs/sd/022272021_sd.pdf, Datasheet Version="Rev. F, 06/2009", Housing material=Nylon(UL94V-0), Manufacturer URL=http://www.molex.com/, Mounting Technology=ThroughHole, No. of Positions=2, No. of Rows=1, Orientation=Vertical, Pitch=2.54mm, Voltage Rating=250V
Q1: library part CMP-02550-000125-1, "MOSFET P-CH 40V 7.2A 8SOIC", Continuous Drain Current=-5.5A, Drain To Source Breakdown Voltage=-40V, Drain To Source Resistance=0.036Ω, Gate To Source Voltage=20V, Input Capacitace At Vds="970pF @ -20V", Manufacturer=Vishay, Max Forward Diode Voltage=-1.2V, Max Junction Temp=+150°C, Package=C-06527, Power Dissipation=2.5W, Pulse Drain Current=-20A, Temperature="-55°C to +150°C", Temperature Range Low=-55°C, Typ Forward Diode Voltage=-0.76V, Automotive=No, Category=Trans, ComponentLink2Description=Datasheet, ComponentLink2URL=http://www.vishay.com/docs/67189/si4447ad.pdf, Depletion Mode=False, Device Class L1="Discrete Semiconductors", Device Class L2=Transistors, Device Class L3=MOSFETs, Digikey Description="MOSFET P-CH 40V 7.2A 8SOIC", Drain To Source Voltage=-40V, Gate Charge At Vgs="25nC @ -10V", Height=1.75mm, Lead Free=Yes, Manufacturer Part Number=SI4447ADY-T1-GE3, Mouser Description="Si4447ADY Series 40 V 45 mOhm 7.2 A Surface Mount P-Channel Mosfet - SOIC-8", Number of Channels=1, Number Of P Channels=1, Octopart=https://octopart.com/si4447ady-t1-ge3-vishay-44677033, Reverse Recovery Charge=19nC, Reverse Recovery Time=27ns, RoHS=TRUE, Rthja Max=40°C/W, Standoff Height=0.1mm, Temperature Range High=+150°C, Threshold Vgs Max=-2.5V, Threshold Vgs Min=-1.2V, Transconductance=14S, Turn Off Delay Time=30ns, Turn On Delay Time=7ns
R1 R2 R3 R4 R14 R15 R16 R17 R19 R21 R24 R25 R35 R36 R39 R40 R41 R43 R44 R49 R50 R51 R52 R54 R55 R56 R59 R60 R61 R63 R65 R66 R67 R68 R69 R70: library part CMP-2100-03667-1, "Chip Resistor, 0 Ohm, +/- 5%, 0.1 W, -55 to 155 degC, 0603 (1608 Metric), RoHS, Tape and Reel", Case Code (Imperial)=0603, Case Code (Metric)=1608, Manufacturer=Yageo, Max Operating Temperature=155degC, Min Operating Temperature=-55degC, Package Description="2-Pin Surface Mount Device, Body 1.6 x 0.8 mm", Package Quantity=5000, Power Rating=100mW, Resistance=0mOhm, Temperature Coefficient=200ppm/degreesC, Tolerance=5%, Voltage Rating=50V, Case/Package=0603, Composition=ThickFilm, Contact Plating=Tin, Datasheet URL=http://www.yageo.com/NewPortal/yageodocoutput?fileName=/pdf/R-Chip/PYu-RC_Group_51_RoHS_L_5.pdf, Datasheet Version="Rev. 5, 10/2016", Depth=0.8mm, Height=0.45mm, Lead Free=LeadFree, Length=1.6mm, Manufacturer URL=http://www.yageo.com/, Military Standard=Not, Number of Pins=2, Package Reference=0603, Packaging=TapeandReel, Radiation Hardening=No, REACH SVHC=NoSVHC, RoHSCompliant=true, Termination=SMD/SMT, Voltage Rating (DC)=50V, Width=0.8mm
R5 R20 R22: library part CMP-2000-00070-1, Manufacturer=Panasonic, Part Number=ERA3AEB470V
R6 R7 R10 R11 R12 R13 R18 R23 R26 R28 R29 R30 R31 R32 R37 R64: library part CMP-2000-05022-1, "Resistor, 10 kOhm, +/- 5%, 100 mW, -55 to 155 degC, 0603 (1608 Metric), RoHS, Tape and Reel", Case Code - in=0603, Case Code - mm=1608, Manufacturer=Yageo, Operating Temperature Range=-55Cto+155C, Package Description="2-Pin Surface Mount Device, Body 1.6 x 0.8 mm", Package Reference=603, Power Rating=100mW, Resistance=10kOhms, Temperature Coefficient=100PPM/C, Tolerance=5%, Voltage Rating=50V, Datasheet URL=http://www.farnell.com/datasheets/443971.pdf, Datasheet Version="Rev. 4, 04/2009", Manufacturer URL=http://www.yageo.com/, Packaging=Reel, Product=ThickFilmResistorsGeneralPurpose, Series=RC, Termination Style=SMD/SMT
R8 R9 R27 R38 R53 R58: library part CMP-2100-03667-1, "Chip Resistor, 100 Ohm, +/- 5%, 0.1 W, -55 to 155 degC, 0603 (1608 Metric), RoHS, Tape and Reel", Case Code (Imperial)=0603, Case Code (Metric)=1608, Manufacturer=Yageo, Max Operating Temperature=155degC, Min Operating Temperature=-55degC, Package Description="2-Pin Surface Mount Device, Body 1.6 x 0.8 mm", Package Quantity=5000, Power Rating=100mW, Resistance=0mOhm, Temperature Coefficient=200ppm/degreesC, Tolerance=5%, Voltage Rating=50V, Case/Package=0603, Composition=ThickFilm, Contact Plating=Tin, Datasheet URL=http://www.yageo.com/NewPortal/yageodocoutput?fileName=/pdf/R-Chip/PYu-RC_Group_51_RoHS_L_5.pdf, Datasheet Version="Rev. 5, 10/2016", Depth=0.8mm, Height=0.45mm, Lead Free=LeadFree, Length=1.6mm, Manufacturer URL=http://www.yageo.com/, Military Standard=Not, Number of Pins=2, Package Reference=0603, Packaging=TapeandReel, Radiation Hardening=No, REACH SVHC=NoSVHC, RoHSCompliant=true, Termination=SMD/SMT, Voltage Rating (DC)=50V, Width=0.8mm
R33: library part CMP-2000-03816-5, "Chip Resistor, 4.7 kOhm, Jumper, 100 mW, -55 to 155 degC, 0603 (1608 Metric), RoHS, Tape and Reel", Manufacturer="Vishay Semiconductor", Max Operating Temperature="155 degC", Min Operating Temperature="-55 degC", Package Quantity=5000, Voltage Rating="75 V", ComponentLink1Description="Manufacturer URL", ComponentLink1URL=http://www.vishay.com/, ComponentLink2Description=Datasheet, ComponentLink2URL=http://www.vishay.com/docs/20035/dcrcwe3.pdf, DatasheetVersion=06/2012, Height="0.45 mm", Length="1.55 mm", Mount="Surface Mount", Mounting Technology="Surface Mount", PackageDescription="2-Pin Surface Mount Device, Body 1.575 x 0.85 mm", PackageReference=0603, Packaging="Tape and Reel", Pins=2, REACH SVHC=Unknown, RoHSCompliant=true
R34 R42 R46 R48: library part CMP-2000-00042-1, "Chip Resistor, 330 / Ohm, +/- 5%, 0.1 W, - / 55 to 155 degC, 0603 / (1608 Metric), RoHS, / Tape and Reel", Manufacturer=Panasonic, Part Number=ERA3AEB334V
R45 R47: library part CMP-2000-00055-1, "0603", Manufacturer=Panasonic, Part Number=ERA-3AEB393V
R57: library part CMP-2000-07420-2, "RES 0.05 OHM 1% 1W 2512", 3DS Part Number=110-00001, Manufacturer=Vishay, Manufacturer Part Number=WSL2512R0500FEA, Package=WSL2512, Power Rating=1W, Resistance=50mΩ, Temperature="-65°C to +170°C", Temperature Coefficient=75ppm/°C, Temperature Range High=+170°C, Temperature Range Low=-65°C, Tolerance=1%, Automotive=Yes, Automotive Grade="Grade 0", Category=Res, ComponentLink2Description=Datasheet, ComponentLink2URL=http://www.vishay.com/docs/30100/wsl.pdf, Composition="Metal Element", Device Class L1="Passive Components", Device Class L2=Resistors, Device Class L3="Chip SMD Resistors", Digikey Description="RES 0.05 OHM 1% 1W 2512", Height=0.889mm, Ipc Land Pattern Name=RESC635318X64, Lead Free=Yes, Octopart=https://octopart.com/wsl2512r0500fea-vishay-39744678, RoHS=TRUE, Series=WSL
R62: library part CMP-2000-07420-2, "RES 0.1 OHM 1% 2W 2512", 3DS Part Number=110-00001, Manufacturer=Vishay, Manufacturer Part Number=WSL2512R0500FEA, Package=WSL2512, Power Rating=1W, Resistance=50mΩ, Temperature="-65°C to +170°C", Temperature Coefficient=75ppm/°C, Temperature Range High=+170°C, Temperature Range Low=-65°C, Tolerance=1%, Automotive=Yes, Automotive Grade="Grade 0", Category=Res, ComponentLink2Description=Datasheet, ComponentLink2URL=http://www.vishay.com/docs/30100/wsl.pdf, Composition="Metal Element", Device Class L1="Passive Components", Device Class L2=Resistors, Device Class L3="Chip SMD Resistors", Digikey Description="RES 0.05 OHM 1% 1W 2512", Height=0.889mm, Ipc Land Pattern Name=RESC635318X64, Lead Free=Yes, Octopart=https://octopart.com/wsl2512r0500fea-vishay-39744678, RoHS=TRUE, Series=WSL